# Altium PCB BEAGLEPLAYV020_220915.brd.PcbDoc (part 7 of 12)
Units mm, origin at the board's own origin, x right, y up, seen from the top; angles counter-clockwise.
Board outline 80 x 80 mm, 8 copper layers (TOP, LYR2_GND, LYR3, LAY4_PWR1, LAY5_PWR2, LAY6, LYR7_GND, BOTTOM), stack 1.545 mm thick; 782 components, 546 nets, 2864 pads, 2056 vias.
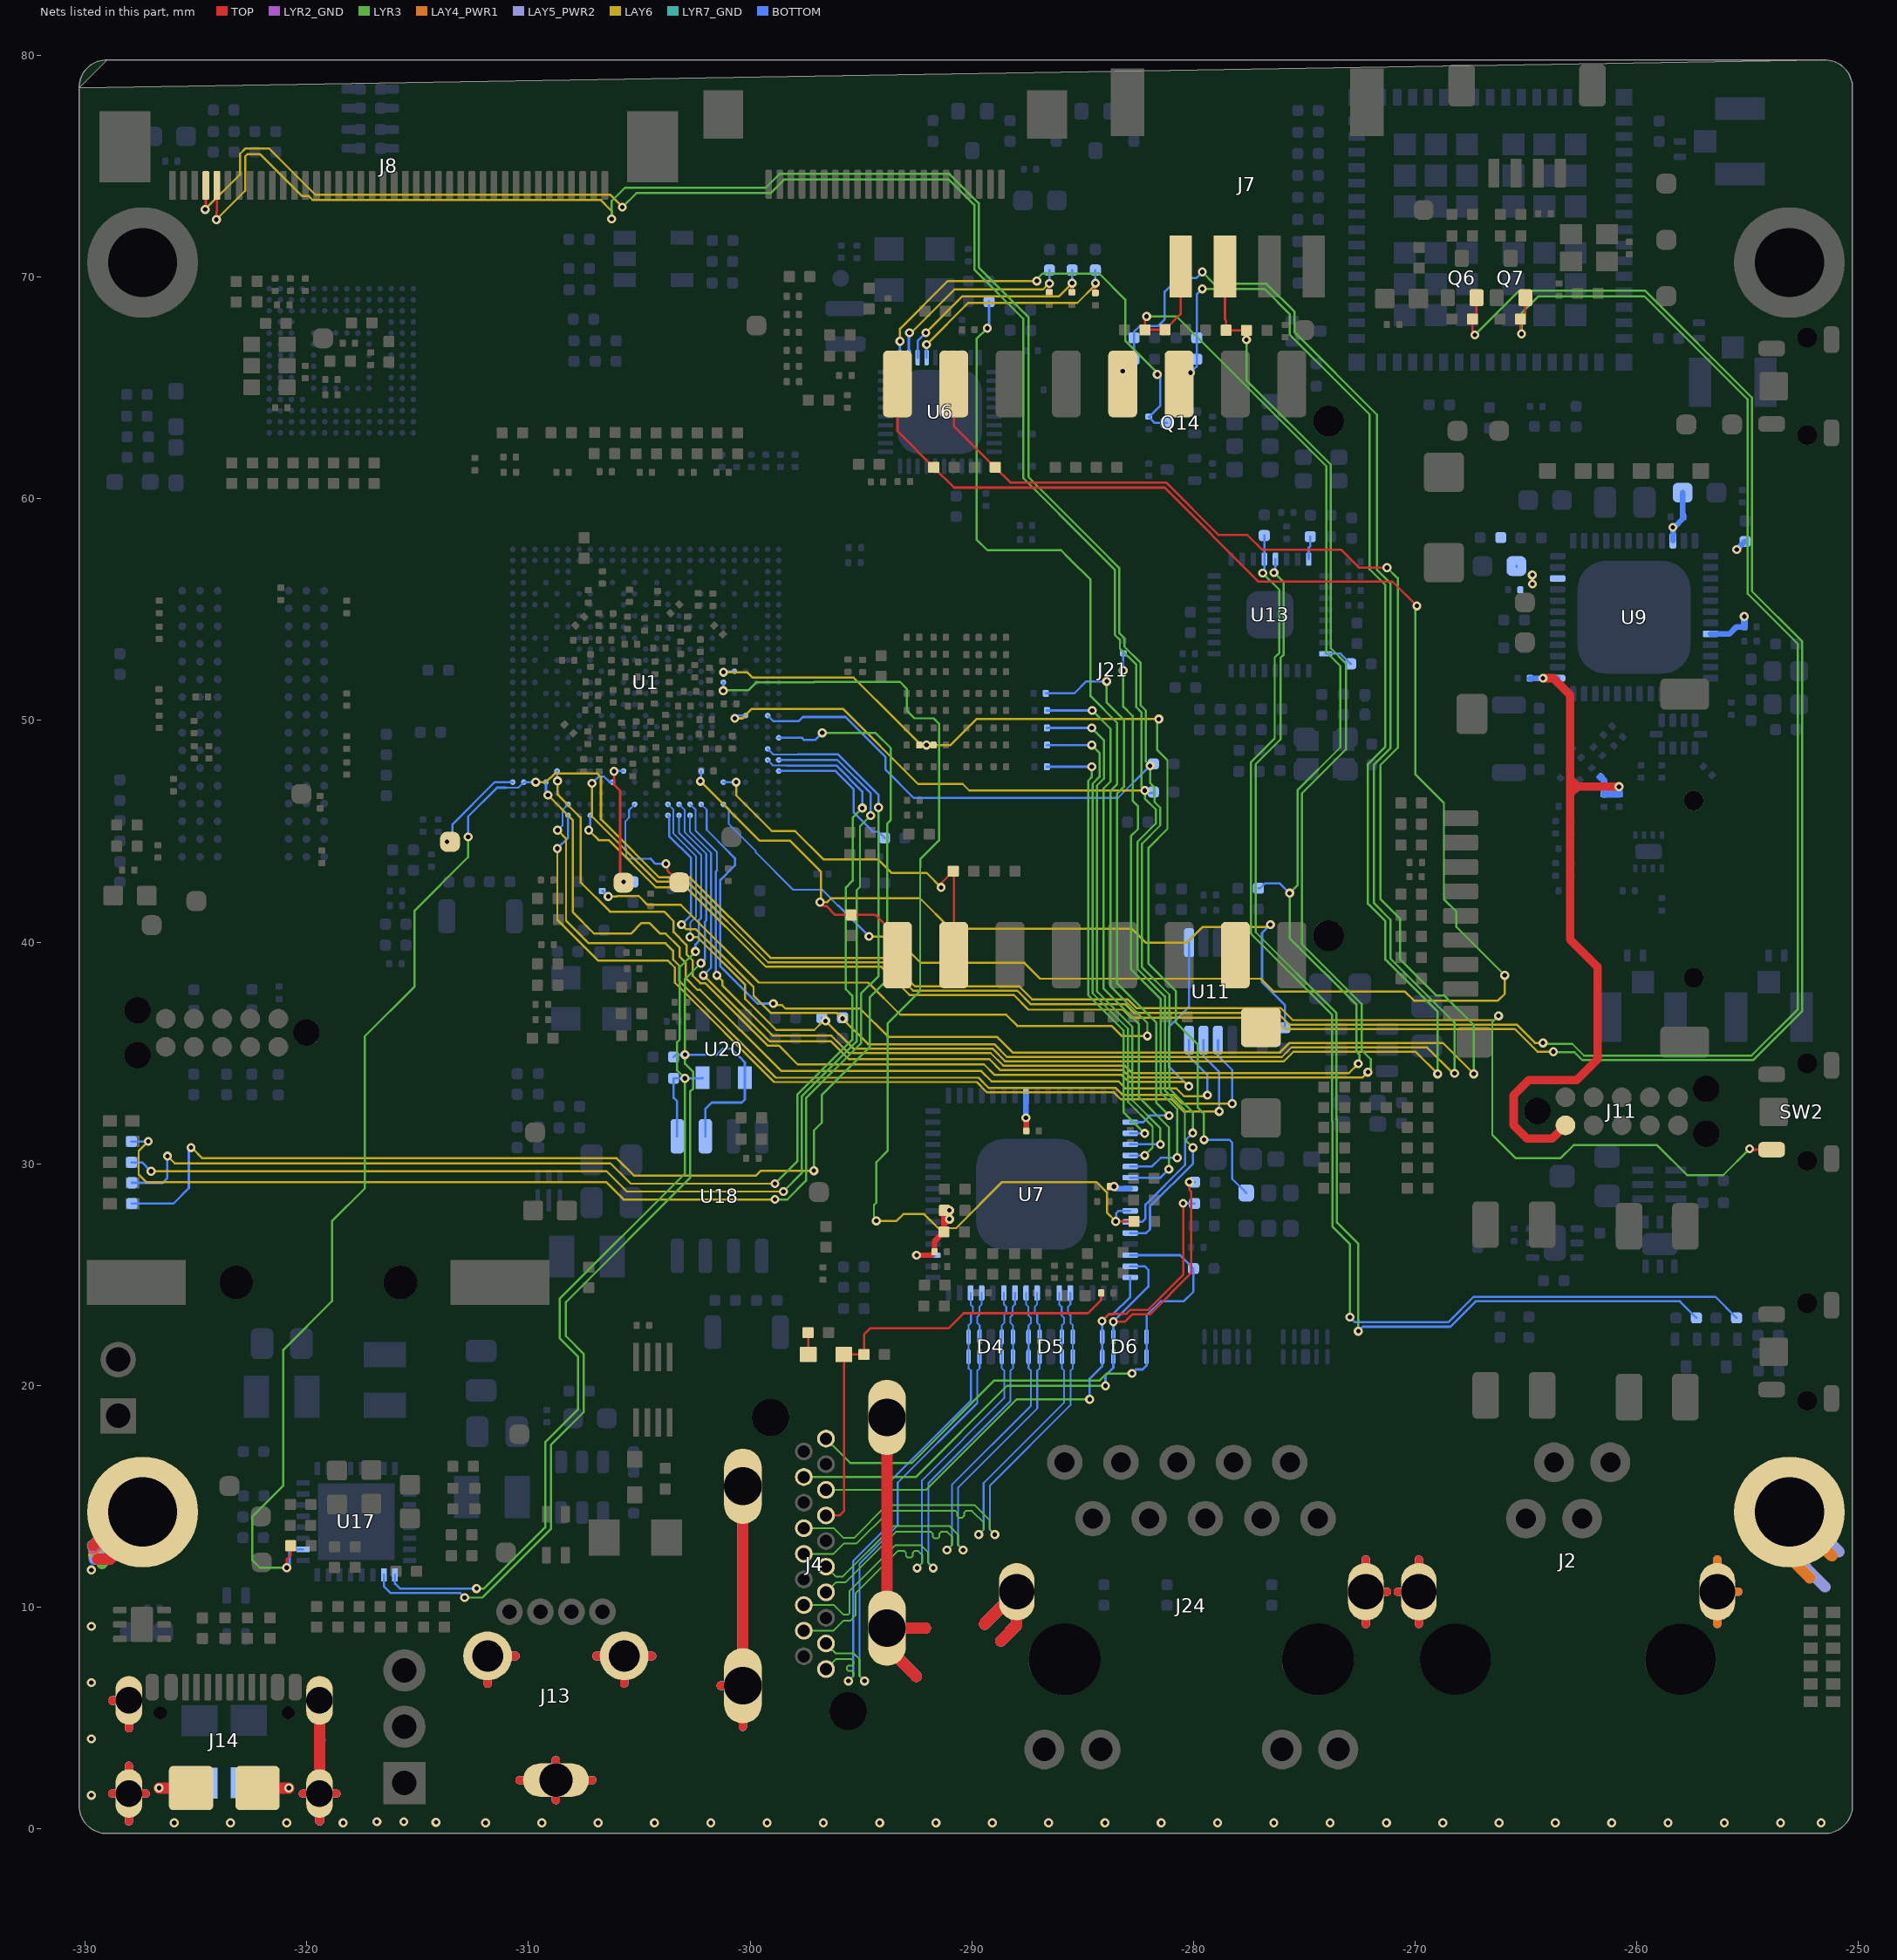
[diagram p13: the nets of this part, all layers, seen from the top]

## Via types
v1: diameter 0.406/0/0.406/0/0/0/0/0.406 (per signal layer), hole 0.203, TOP to BOTTOM, 334 vias
v2: diameter 0.406/0.406/0/0/0/0/0.406/0.406 (per signal layer), hole 0.203, TOP to BOTTOM, 282 vias
v3: diameter 0.406/0/0/0/0/0.406/0/0.406 (per signal layer), hole 0.203, TOP to BOTTOM, 255 vias
v4: diameter 0.406/0.406/0/0/0/0.406/0.406/0.406 (per signal layer), hole 0.203, TOP to BOTTOM, 253 vias
v5: diameter 0.406, hole 0.203, TOP to BOTTOM, 212 vias
v6: diameter 0.406/0.406/0.406/0/0/0.406/0.406/0.406 (per signal layer), hole 0.203, TOP to BOTTOM, 173 vias
v7: diameter 0.406/0/0/0.406/0/0/0/0.406 (per signal layer), hole 0.203, TOP to BOTTOM, 131 vias
v8: diameter 0.406/0/0/0/0.406/0/0/0.406 (per signal layer), hole 0.203, TOP to BOTTOM, 98 vias
v9: diameter 0.406/0.406/0/0.406/0/0/0.406/0.406 (per signal layer), hole 0.203, TOP to BOTTOM, 93 vias
v10: diameter 0.406/0/0.406/0/0/0.406/0/0.406 (per signal layer), hole 0.203, TOP to BOTTOM, 87 vias
v11: diameter 0.406/0.406/0/0.406/0/0.406/0.406/0.406 (per signal layer), hole 0.203, TOP to BOTTOM, 44 vias
v12: diameter 0.406/0.406/0.406/0.406/0/0.406/0.406/0.406 (per signal layer), hole 0.203, TOP to BOTTOM, 40 vias
v13: diameter 0.406/0.406/0.406/0/0/0/0.406/0.406 (per signal layer), hole 0.203, TOP to BOTTOM, 19 vias
v14: diameter 0.406/0/0/0.406/0/0.406/0/0.406 (per signal layer), hole 0.203, TOP to BOTTOM, 15 vias
v15: diameter 0.406/0/0/0/0.406/0.406/0/0.406 (per signal layer), hole 0.203, TOP to BOTTOM, 13 vias
v16: diameter 0.406/0/0.406/0/0.406/0/0/0.406 (per signal layer), hole 0.203, TOP to BOTTOM, 3 vias
v17: diameter 0.406/0/0.406/0.406/0/0/0/0.406 (per signal layer), hole 0.203, TOP to BOTTOM, 3 vias
v18: diameter 0.406/0.406/0.406/0.406/0/0/0.406/0.406 (per signal layer), hole 0.203, TOP to BOTTOM, 1 vias

## Nets (pads, with @x,y where several pads share a name; then routed paths per layer and width w, separated by ;. In a path a pad name is that pad's centre, name@x,y a point inside that pad or via, vN(x,y) a via of type N, cw(c..) or ccw(c..) an arc to the next point about the centre after c; other vN are vias at no path point) (continued)
GND_EARTH: C105.2 J2.S1 J2.S2 J4.20 J4.21 J4.22 J4.23 J13.5 J13.6 J13.7 J14.S1 J14.S2 J14.S3 J14.S4 J14.S5 J14.S6 J24.15 J24.16 MH1.1 MH2.1 R38.2 | length 482.5
  TOP w0.356: -328.776,1.6 J14.S1@-328.023,1.6 ; -328.776,5.8 J14.S2@-328.023,5.8 -328.023,4.547 ; -328.023,0.347 J14.S1@-328.023,1.6 ; -328.023,2.853 J14.S1@-328.023,1.6 ; -327.27,1.6 J14.S1@-328.023,1.6 ; -320.176,1.6 J14.S3@-319.423,1.6 ; -319.423,0.347 J14.S3@-319.423,1.6 ; -318.67,1.6 J14.S3@-319.423,1.6 ; -311.842,6.551 J13.6@-311.842,7.804 -310.589,7.804 ; -310.401,2.204 J13.7@-308.762,2.204 ; -308.762,1.301 J13.7@-308.762,2.204 ; -308.762,3.107 J13.7@-308.762,2.204 ; -307.124,2.204 J13.7@-308.762,2.204 ; -306.935,7.804 J13.5@-305.682,7.804 ; -305.682,6.551 J13.5@-305.682,7.804 ; -304.429,7.804 J13.5@-305.682,7.804 ; -301.332,6.463 J4.20@-300.329,6.463 -300.329,4.61 ; -272.226,9.248 J24.16@-272.226,10.701 ; -272.226,12.153 J24.16@-272.226,10.701 ; -271.273,10.701 J24.16@-272.226,10.701 ; -270.787,10.701 J2.S1@-269.834,10.701 ; -269.834,9.248 J2.S1@-269.834,10.701 ; -269.834,12.153 J2.S1@-269.834,10.701
  TOP w0.508: -329.641,12.776 -328.117,14.3 MH2.1@-327.406,14.3 -327.406,13.64 -328.874,12.172 -329.433,12.172 ; v5(-326.665,1.85) J14.S5@-325.223,1.85 ; J14.S6@-322.223,1.85 v5(-320.806,1.85) ; J14.S3@-319.423,1.6 J14.S4@-319.423,5.8 ; J4.20@-300.329,6.463 J4.21@-300.329,15.463 ; J4.23@-293.829,18.563 J4.22@-293.829,9.063 ; -292.506,6.883 -293.829,8.206 J4.22@-293.829,9.063 ; -292.095,9.063 J4.22@-293.829,9.063 ; -289.43,9.246 J24.15@-287.976,10.701 -287.976,9.204 -288.696,8.484
  LYR2_GND w0.381: -328.776,1.6 J14.S1@-328.023,1.6 ; -328.776,5.8 J14.S2@-328.023,5.8 -328.023,4.547 ; -328.023,0.347 J14.S1@-328.023,1.6 ; -328.023,2.853 J14.S1@-328.023,1.6 ; -327.27,1.6 J14.S1@-328.023,1.6 ; -320.176,1.6 J14.S3@-319.423,1.6 ; -319.423,0.347 J14.S3@-319.423,1.6 ; -319.423,2.853 J14.S3@-319.423,1.6 ; -318.67,1.6 J14.S3@-319.423,1.6 ; -311.842,6.551 J13.6@-311.842,7.804 -310.589,7.804 ; -310.401,2.204 J13.7@-308.762,2.204 ; -308.762,1.301 J13.7@-308.762,2.204 ; -308.762,3.107 J13.7@-308.762,2.204 ; -307.124,2.204 J13.7@-308.762,2.204 ; -306.935,7.804 J13.5@-305.682,7.804 ; -305.682,6.551 J13.5@-305.682,7.804 ; -304.429,7.804 J13.5@-305.682,7.804 ; -301.332,6.463 J4.20@-300.329,6.463 -300.329,4.61 ; -272.226,9.248 J24.16@-272.226,10.701 ; -272.226,12.153 J24.16@-272.226,10.701 ; -271.273,10.701 J24.16@-272.226,10.701 ; -270.787,10.701 J2.S1@-269.834,10.701 ; -269.834,9.248 J2.S1@-269.834,10.701 ; -269.834,12.153 J2.S1@-269.834,10.701
  LYR2_GND w0.508: -329.641,12.7 -328.041,14.3 MH2.1@-327.406,14.3 ; J4.20@-300.329,6.463 J4.21@-300.329,15.463 ; -292.506,6.883 -293.829,8.206 J4.22@-293.829,9.063 -292.095,9.063 ; -289.43,9.246 J24.15@-287.976,10.701 -287.976,9.204 -288.696,8.484
  LYR3 w0.351: -328.776,1.6 J14.S1@-328.023,1.6 ; -328.776,5.8 J14.S2@-328.023,5.8 -328.023,4.547 ; -328.023,0.347 J14.S1@-328.023,1.6 ; -328.023,2.853 J14.S1@-328.023,1.6 ; -327.27,1.6 J14.S1@-328.023,1.6 ; -320.176,1.6 J14.S3@-319.423,1.6 ; -319.423,0.347 J14.S3@-319.423,1.6 ; -318.67,1.6 J14.S3@-319.423,1.6 ; -311.842,6.551 J13.6@-311.842,7.804 -310.589,7.804 ; -310.401,2.204 J13.7@-308.762,2.204 ; -308.762,1.301 J13.7@-308.762,2.204 ; -308.762,3.107 J13.7@-308.762,2.204 ; -307.124,2.204 J13.7@-308.762,2.204 ; -306.935,7.804 J13.5@-305.682,7.804 ; -305.682,6.551 J13.5@-305.682,7.804 ; -304.429,7.804 J13.5@-305.682,7.804 ; -301.332,6.463 J4.20@-300.329,6.463 -300.329,4.61 ; -272.226,9.248 J24.16@-272.226,10.701 ; -272.226,12.153 J24.16@-272.226,10.701 ; -271.273,10.701 J24.16@-272.226,10.701 ; -270.787,10.701 J2.S1@-269.834,10.701 ; -269.834,9.248 J2.S1@-269.834,10.701 ; -269.834,12.153 J2.S1@-269.834,10.701
  LYR3 w0.508: -329.641,12.7 -328.041,14.3 MH2.1@-327.406,14.3 -327.406,13.818 -329.242,11.981 ; J14.S3@-319.423,1.6 J14.S4@-319.423,5.8 ; J4.20@-300.329,6.463 J4.21@-300.329,15.463 ; -292.506,6.883 -293.829,8.206 J4.22@-293.829,9.063 -292.095,9.063 ; -289.43,9.246 J24.15@-287.976,10.701 -287.976,9.204 -288.696,8.484
  LAY4_PWR1 w0.381: -328.776,1.6 J14.S1@-328.023,1.6 ; -328.776,5.8 J14.S2@-328.023,5.8 -328.023,4.547 ; -328.023,0.347 J14.S1@-328.023,1.6 ; -328.023,2.853 J14.S1@-328.023,1.6 ; -327.27,1.6 J14.S1@-328.023,1.6 ; -320.176,1.6 J14.S3@-319.423,1.6 ; -319.423,0.347 J14.S3@-319.423,1.6 ; -318.67,1.6 J14.S3@-319.423,1.6 ; -311.842,6.551 J13.6@-311.842,7.804 -310.589,7.804 ; -310.401,2.204 J13.7@-308.762,2.204 ; -308.762,1.301 J13.7@-308.762,2.204 ; -308.762,3.107 J13.7@-308.762,2.204 ; -307.124,2.204 J13.7@-308.762,2.204 ; -306.935,7.804 J13.5@-305.682,7.804 ; -305.682,6.551 J13.5@-305.682,7.804 ; -304.429,7.804 J13.5@-305.682,7.804 ; -301.332,6.463 J4.20@-300.329,6.463 -300.329,4.61 ; -272.226,9.248 J24.16@-272.226,10.701 ; -272.226,12.153 J24.16@-272.226,10.701 ; -271.273,10.701 J24.16@-272.226,10.701 ; -270.787,10.701 J2.S1@-269.834,10.701 ; -269.834,9.248 J2.S1@-269.834,10.701 ; -269.834,12.153 J2.S1@-269.834,10.701 ; -256.374,9.248 J2.S2@-256.374,10.701 ; -256.374,12.153 J2.S2@-256.374,10.701 ; -255.421,10.701 J2.S2@-256.374,10.701
  LAY4_PWR1 w0.508: -329.616,12.573 -327.889,14.3 MH2.1@-327.406,14.3 ; J14.S3@-319.423,1.6 J14.S4@-319.423,5.8 ; J4.20@-300.329,6.463 J4.21@-300.329,15.463 ; -292.506,6.883 -293.829,8.206 J4.22@-293.829,9.063 -292.095,9.063 ; -289.43,9.246 J24.15@-287.976,10.701 -287.976,9.204 -288.696,8.484 ; MH1.1@-253.119,14.3 MH1.1@-253.119,14.232 ; -252.197,11.328 -253.119,12.25 MH1.1@-253.119,14.232 ; -251.206,12.319 MH1.1@-253.119,14.232
  LAY5_PWR2 w0.381: -328.776,1.6 J14.S1@-328.023,1.6 ; -328.776,5.8 J14.S2@-328.023,5.8 -328.023,4.547 ; -328.023,0.347 J14.S1@-328.023,1.6 ; -328.023,2.853 J14.S1@-328.023,1.6 ; -327.27,1.6 J14.S1@-328.023,1.6 ; -320.176,1.6 J14.S3@-319.423,1.6 ; -319.423,0.347 J14.S3@-319.423,1.6 ; -318.67,1.6 J14.S3@-319.423,1.6 ; -311.842,6.551 J13.6@-311.842,7.804 -310.589,7.804 ; -310.401,2.204 J13.7@-308.762,2.204 ; -308.762,1.301 J13.7@-308.762,2.204 ; -308.762,3.107 J13.7@-308.762,2.204 ; -307.124,2.204 J13.7@-308.762,2.204 ; -306.935,7.804 J13.5@-305.682,7.804 ; -305.682,6.551 J13.5@-305.682,7.804 ; -304.429,7.804 J13.5@-305.682,7.804 ; -301.332,6.463 J4.20@-300.329,6.463 -300.329,4.61 ; -272.226,9.248 J24.16@-272.226,10.701 ; -272.226,12.153 J24.16@-272.226,10.701 ; -271.273,10.701 J24.16@-272.226,10.701 ; -270.787,10.701 J2.S1@-269.834,10.701 ; -269.834,9.248 J2.S1@-269.834,10.701 ; -269.834,12.153 J2.S1@-269.834,10.701 ; -256.374,9.248 J2.S2@-256.374,10.701 ; -256.374,12.153 J2.S2@-256.374,10.701 ; -255.421,10.701 J2.S2@-256.374,10.701
  LAY5_PWR2 w0.508: -329.552,12.23 -327.482,14.3 MH2.1@-327.406,14.3 ; J14.S3@-319.423,1.6 J14.S4@-319.423,5.8 ; J4.20@-300.329,6.463 J4.21@-300.329,15.463 ; -292.506,6.883 -293.829,8.206 J4.22@-293.829,9.063 -292.095,9.063 ; -289.43,9.246 J24.15@-287.976,10.701 -287.976,9.204 -288.696,8.484 ; -251.511,10.922 -253.119,12.53 MH1.1@-253.119,14.3 -252.679,14.3 -250.888,12.509
  LAY6 w0.351: -328.776,1.6 J14.S1@-328.023,1.6 ; -328.776,5.8 J14.S2@-328.023,5.8 -328.023,4.547 ; -328.023,0.347 J14.S1@-328.023,1.6 ; -328.023,2.853 J14.S1@-328.023,1.6 ; -327.27,1.6 J14.S1@-328.023,1.6 ; -320.176,1.6 J14.S3@-319.423,1.6 ; -319.423,0.347 J14.S3@-319.423,1.6 ; -318.67,1.6 J14.S3@-319.423,1.6 ; -311.842,6.551 J13.6@-311.842,7.804 -310.589,7.804 ; -310.401,2.204 J13.7@-308.762,2.204 ; -308.762,1.301 J13.7@-308.762,2.204 ; -308.762,3.107 J13.7@-308.762,2.204 ; -307.124,2.204 J13.7@-308.762,2.204 ; -306.935,7.804 J13.5@-305.682,7.804 ; -305.682,6.551 J13.5@-305.682,7.804 ; -304.429,7.804 J13.5@-305.682,7.804 ; -301.332,6.463 J4.20@-300.329,6.463 -300.329,4.61 ; -272.226,9.248 J24.16@-272.226,10.701 ; -272.226,12.153 J24.16@-272.226,10.701 ; -271.273,10.701 J24.16@-272.226,10.701 ; -270.787,10.701 J2.S1@-269.834,10.701 ; -269.834,9.248 J2.S1@-269.834,10.701 ; -269.834,12.153 J2.S1@-269.834,10.701
  LAY6 w0.508: -329.616,12.344 -327.66,14.3 MH2.1@-327.406,14.3 ; J14.S3@-319.423,1.6 J14.S4@-319.423,5.8 ; J4.20@-300.329,6.463 J4.21@-300.329,15.463 ; -292.506,6.883 -293.829,8.206 J4.22@-293.829,9.063 -292.095,9.063 ; -289.43,9.246 J24.15@-287.976,10.701 -287.976,9.204 -288.696,8.484
  LYR7_GND w0.381: -328.776,1.6 J14.S1@-328.023,1.6 ; -328.776,5.8 J14.S2@-328.023,5.8 -328.023,4.547 ; -328.023,0.347 J14.S1@-328.023,1.6 ; -328.023,2.853 J14.S1@-328.023,1.6 ; -327.27,1.6 J14.S1@-328.023,1.6 ; -320.176,1.6 J14.S3@-319.423,1.6 ; -319.423,0.347 J14.S3@-319.423,1.6 ; -318.67,1.6 J14.S3@-319.423,1.6 ; -311.842,6.551 J13.6@-311.842,7.804 -310.589,7.804 ; -310.401,2.204 J13.7@-308.762,2.204 ; -308.762,1.301 J13.7@-308.762,2.204 ; -308.762,3.107 J13.7@-308.762,2.204 ; -307.124,2.204 J13.7@-308.762,2.204 ; -306.935,7.804 J13.5@-305.682,7.804 ; -305.682,6.551 J13.5@-305.682,7.804 ; -304.429,7.804 J13.5@-305.682,7.804 ; -301.332,6.463 J4.20@-300.329,6.463 -300.329,4.61 ; -272.226,9.248 J24.16@-272.226,10.701 ; -272.226,12.153 J24.16@-272.226,10.701 ; -271.273,10.701 J24.16@-272.226,10.701 ; -270.787,10.701 J2.S1@-269.834,10.701 ; -269.834,9.248 J2.S1@-269.834,10.701 ; -269.834,12.153 J2.S1@-269.834,10.701
  LYR7_GND w0.508: -329.667,12.776 -328.143,14.3 MH2.1@-327.406,14.3 ; J14.S3@-319.423,1.6 J14.S4@-319.423,5.8 ; J4.20@-300.329,6.463 J4.21@-300.329,15.463 ; -292.506,6.883 -293.829,8.206 J4.22@-293.829,9.063 -292.095,9.063 ; -289.43,9.246 J24.15@-287.976,10.701 -287.976,9.204 -288.696,8.484
  BOTTOM w0.356: -328.776,1.6 J14.S1@-328.023,1.6 ; -328.776,5.8 J14.S2@-328.023,5.8 -328.023,4.547 ; -328.023,0.347 J14.S1@-328.023,1.6 ; -328.023,2.853 J14.S1@-328.023,1.6 ; -327.27,1.6 J14.S1@-328.023,1.6 ; -320.176,1.6 J14.S3@-319.423,1.6 ; -319.423,0.347 J14.S3@-319.423,1.6 ; -319.423,2.853 J14.S3@-319.423,1.6 ; -318.67,1.6 J14.S3@-319.423,1.6 ; -311.842,6.551 J13.6@-311.842,7.804 -310.589,7.804 ; -310.401,2.204 J13.7@-308.762,2.204 ; -308.762,1.301 J13.7@-308.762,2.204 ; -308.762,3.107 J13.7@-308.762,2.204 ; -307.124,2.204 J13.7@-308.762,2.204 ; -306.935,7.804 J13.5@-305.682,7.804 ; -305.682,6.551 J13.5@-305.682,7.804 ; -304.429,7.804 J13.5@-305.682,7.804 ; -301.332,6.463 J4.20@-300.329,6.463 -300.329,4.61 ; -272.226,9.248 J24.16@-272.226,10.701 ; -272.226,12.153 J24.16@-272.226,10.701 ; -271.273,10.701 J24.16@-272.226,10.701 ; -270.787,10.701 J2.S1@-269.834,10.701 ; -269.834,9.248 J2.S1@-269.834,10.701 ; -269.834,12.153 J2.S1@-269.834,10.701
  BOTTOM w0.508: -329.59,12.167 -329.54,12.167 MH2.1@-327.406,14.3 ; J14.S4@-319.423,5.8 -319.423,4.031 -319.405,4.013 ; J4.20@-300.329,6.463 J4.21@-300.329,15.463 ; -292.506,6.883 -293.829,8.206 J4.22@-293.829,9.063 -292.095,9.063 ; -289.43,9.246 J24.15@-287.976,10.701 -287.976,9.204 -288.696,8.484
  other v5: -325.984,0.279 -323.444,0.279 -320.904,0.279 -318.364,0.279 -311.937,0.279 -309.397,0.279 -306.857,0.279 -304.317,0.279 -301.777,0.279 -299.237,0.279 -296.697,0.279 -294.157,0.279 -291.617,0.279 -289.077,0.279 -286.537,0.279 -283.997,0.279 -281.457,0.279 -278.917,0.279 -276.377,0.279 -273.837,0.279 -271.297,0.279 -268.757,0.279 -266.217,0.279 -263.677,0.279 -261.137,0.279 -258.597,0.279 -256.057,0.279 -253.517,0.279 -251.689,0.279 -314.173,0.305 -316.84,0.33 -315.62,0.33 -329.717,1.524 -329.717,4.064 -329.717,6.604 -329.717,9.144 -329.717,11.684
GPIO1: R116.1 U13.32 | length 1
  BOTTOM w0.102: U13.32@-274.804,57.277 -274.804,57.793 -274.732,57.865 R116.1@-274.732,58.293
GPIO1_9: D37.2 J21.7 U1.B18 | length 94
  TOP w0.102: J21.7@-290.815,65.179 -290.815,63.287 D37.2@-288.945,61.417 -288.259,60.731 -281.246,60.731 -278.884,58.369 -277.571,58.369 -276.911,57.709 -273.355,57.709 -272.542,56.896 v1(-271.272,56.896)
  LYR3 w0.097: v1(-271.272,56.896) -270.789,56.413 -270.789,48.768 -271.577,47.981 -271.577,41.961 -270.688,41.072 -270.688,39.243 -269.037,37.592 -268.681,37.592 -267.36,36.271 v10(-267.36,34.061)
  LAY6 w0.097: v3(-298.958,37.234) -298.884,37.16 -298.559,37.16 -298.407,37.008 -295.046,37.008 -293.771,35.733 -288.863,35.733 -288.157,35.027 -276.098,35.027 -275.666,35.458 -268.757,35.458 v10(-267.36,34.061)
  BOTTOM w0.081: U1.B18@-302.211,46.219 -301.962,45.97 -301.962,45.064 -300.939,44.041
  BOTTOM w0.102: -300.939,44.041 -300.685,43.787 -300.685,43.459 -301.346,42.799 -301.346,38.913 -299.667,37.234 v3(-298.958,37.234)
GPIO1_10: D31.2 J21.9 R68.2 U1.E18 | length 40.7
  TOP w0.102: v3(-296.85,41.808) -296.672,41.631 -296.57,41.631 -296.169,41.23 D31.2@-295.453,41.23 -294.341,41.23 -293.355,40.244 J21.9@-293.355,39.419
  LAY6 w0.097: v3(-302.249,47.261) -299.565,44.577 -298.196,44.577 -296.799,43.18 v3@-296.799,41.808 ; v3(-296.85,41.808) v3@-296.799,41.808 ; v3(-276.53,40.792) -276.631,40.691 -279.578,40.691 -280.289,39.98 -282.161,39.98 -282.796,40.615 -290.975,40.615 -292.341,41.981 -296.347,41.981 -296.52,41.808 v3@-296.799,41.808
  BOTTOM w0.102: v3(-302.249,47.261) -302.211,47.299 U1.E18@-302.211,47.719 ; v3(-276.53,40.792) -276.911,40.411 -276.911,38.202 -275.881,37.171 R68.2@-275.881,36.14
GPIO1_11: D36.2 J21.8 U1.B20 | length 87.5
  TOP w0.102: J21.8@-293.355,65.179 -293.355,63.053 D36.2@-291.719,61.417 -290.805,60.503 -281.305,60.503 -277.063,56.261 -271.018,56.261 v1(-269.926,55.169)
  LYR3 w0.097: v1(-269.926,55.169) -269.926,55.118 -270.002,55.042 -270.002,47.574 -268.707,46.279 -268.707,41.935 -268.148,41.377 -268.148,40.691 v10(-265.963,38.506)
  LAY6 w0.097: v3(-294.64,40.259) -293.497,40.259 -292.303,39.065 -287.63,39.065 -286.918,38.354 -276.963,38.354 -276.379,37.77 -270.462,37.77 -270.056,37.363 -266.268,37.363 -265.963,37.668 v10(-265.963,38.506)
  BOTTOM w0.081: U1.B20@-301.211,46.219 -300.962,45.97 -300.962,45.331 -299.745,44.115 -299.745,44.044 -298.069,42.367 -296.748,42.367 -296.037,41.656
  BOTTOM w0.102: -296.037,41.656 v3(-294.64,40.259)
GPIO1_12: D45.2 J21.10 U1.D20 | length 16.9
  TOP w0.102: v3(-291.389,42.469) -291.389,42.652 D45.2@-290.835,43.205 cw(c-290.886,43.155) -290.815,43.155 J21.10@-290.815,39.419
  LAY6 w0.097: -300.63,46.627 -299.012,45.009 -297.967,45.009 -296.697,43.739 -294.239,43.739 -293.629,43.129 -292.049,43.129 v3(-291.389,42.469)
  LAY6 w0.102: -300.63,46.627 v3(-300.63,47.22)
  BOTTOM w0.102: U1.D20@-301.211,47.22 v3(-300.63,47.22)
GPIO2: R112.1 U13.8 | length 1.3
  BOTTOM w0.102: U13.8@-274.041,53.011 -273.365,53.011 R112.1@-272.91,52.556
HDMI_AVCC: C240.1 C241.1 C242.1 C275.1 FB18.1 U7.8 U7.35 U7.56 | length 7.2
  TOP w0.102: C240.1@-283.779,28.98 -283.777,28.981 v7(-283.591,28.981)
  TOP w0.254: v7(-292.494,25.882) -291.833,25.882 C241.1@-291.683,26.032 -291.683,26.511 C275.1@-291.26,26.934 -291.26,27.256 ; v7(-287.562,32.08) -287.543,32.062 C242.1@-287.543,31.488 ; -291.26,27.256 -291.26,27.879 FB18.1@-291.235,27.904 v7(-291.008,27.904) v7(-291.008,27.508) -291.26,27.256
  BOTTOM w0.254: v7(-292.494,25.882) -292.481,25.882 -292.48,25.881 U7.35@-291.755,25.881 ; v7(-287.562,32.08) -287.555,32.087 U7.56@-287.555,33.081 ; v7(-283.591,28.981) -283.49,28.881 U7.8@-282.855,28.881
HDMI_CEC: D7.2 D63.2 J4.13 R258.2 | length 21.4
  TOP w0.102: J4.13@-296.579,14.143 -295.966,14.143 -295.758,14.351 -295.758,21.385 D63.2@-295.776,21.404 D7.2@-294.868,21.404 -294.868,22.302 -294.589,22.581 -291.059,22.581 -290.373,23.266 -284.759,23.266 -284.168,23.858 R258.2@-284.168,24.181
HDMI_CEC_D: D63.1 R63.2 | length 1
  TOP w0.102: R63.2@-297.389,22.386 -297.376,22.374 D63.1@-297.376,21.404
HDMI_DSCL: D6.1 D6.10 J4.15 R65.2 U7.16 | length 28.2
  TOP w0.102: v5(-284.126,22.912) -283.797,23.241 -283.024,23.241 -282.85,23.415 -282.053,23.415 -280.467,25.002 v5(-280.467,28.219)
  LYR3 w0.097: J4.15@-296.579,15.298 -292.068,15.298 -287.985,19.38 v1(-284.683,19.38)
  BOTTOM w0.102: v1(-284.683,19.38) -284.683,20.32 -284.118,20.885 D6.10@-284.118,21.302 D6.1@-284.118,22.202 -284.118,22.905 v5(-284.126,22.912) -283.797,23.241 -283.616,23.241 -282.855,24.002 U7.16@-282.855,24.881 ; v5(-280.467,28.219) -280.463,28.216 R65.2@-279.955,28.216
HDMI_DSDA: D6.2 D6.9 J4.16 R64.2 U7.15 | length 31
  TOP w0.102: v5(-283.618,22.883) -283.094,22.883 -282.765,23.212 -281.969,23.212 -280.111,25.07 -280.111,28.753 -280.187,28.829 v5(-280.187,29.181)
  LYR3 w0.097: J4.16@-297.579,15.876 -292.531,15.876 -288.417,19.99 v1(-283.972,19.99)
  BOTTOM w0.102: v1(-283.972,19.99) -283.972,20.447 -283.618,20.801 D6.9@-283.618,21.302 D6.2@-283.618,22.202 v5(-283.618,22.883) -282.042,24.46 -282.042,25.222 -282.2,25.381 U7.15@-282.855,25.381 ; v5(-280.187,29.181) R64.2@-279.954,29.181
HDMI_HPD: D6.5 D6.6 J4.19 R66.1 U7.14 | length 25.7
  LYR3 w0.097: J4.19@-296.579,17.608 -295.481,16.51 -292.71,16.51 -289.001,20.218 -284.243,20.218 -283.913,20.549 v1(-282.778,20.549)
  BOTTOM w0.102: U7.14@-282.855,25.881 -280.606,25.881 R66.1@-280.002,25.277 -280.002,24.239 -280.441,23.8 -281.483,23.8 -282.118,23.164 D6.5@-282.118,22.202 D6.6@-282.118,21.302 -282.118,20.904 -282.296,20.726 -282.6,20.726 v1(-282.778,20.549)
HDMI_INT: R257.2 U1.N20 U7.10 | length 50.5
  TOP w0.102: v3(-283.51,27.407) R257.2@-282.687,27.407
  LYR3 w0.097: -297.104,51.74 -293.243,51.74 -292.938,51.435 -292.938,50.444 -292.592,50.098 -291.728,50.098 -291.482,49.852 -291.482,44.586 -292.331,43.736 -292.331,43.389 ; v10(-294.307,27.432) -294.416,27.541 -294.416,28.143 -294.307,28.252 -294.307,30.078 -293.802,30.584 -293.802,36.329 -292.332,37.799 -292.332,43.389
  LYR3 w0.102: v1(-301.211,51.341) -301.194,51.358 -300.086,51.358 -299.73,51.714 -297.129,51.714 -297.104,51.74
  LAY6 w0.097: v10(-294.307,27.432) -293.395,27.432 -293.091,27.737 -292.151,27.737 -291.516,27.102 -290.711,27.102 -288.633,29.18 -284.373,29.18 -283.91,28.716 -283.91,27.806 v3(-283.51,27.407)
  BOTTOM w0.102: v1(-301.211,51.341) U1.N20@-301.211,51.719 ; v3(-283.51,27.407) -283.489,27.427 -283.489,27.779 -283.388,27.881 U7.10@-282.855,27.881
HDMI_RSTN: D58.2 R177.2 R194.1 U1.P21 | length 47.1
  TOP w0.102: R177.2@-292.377,48.891 v3(-292.049,48.891) R194.1@-291.729,48.891